# Altium PCB openmv-stm32n.PcbDoc (part 1 of 5) (continued)
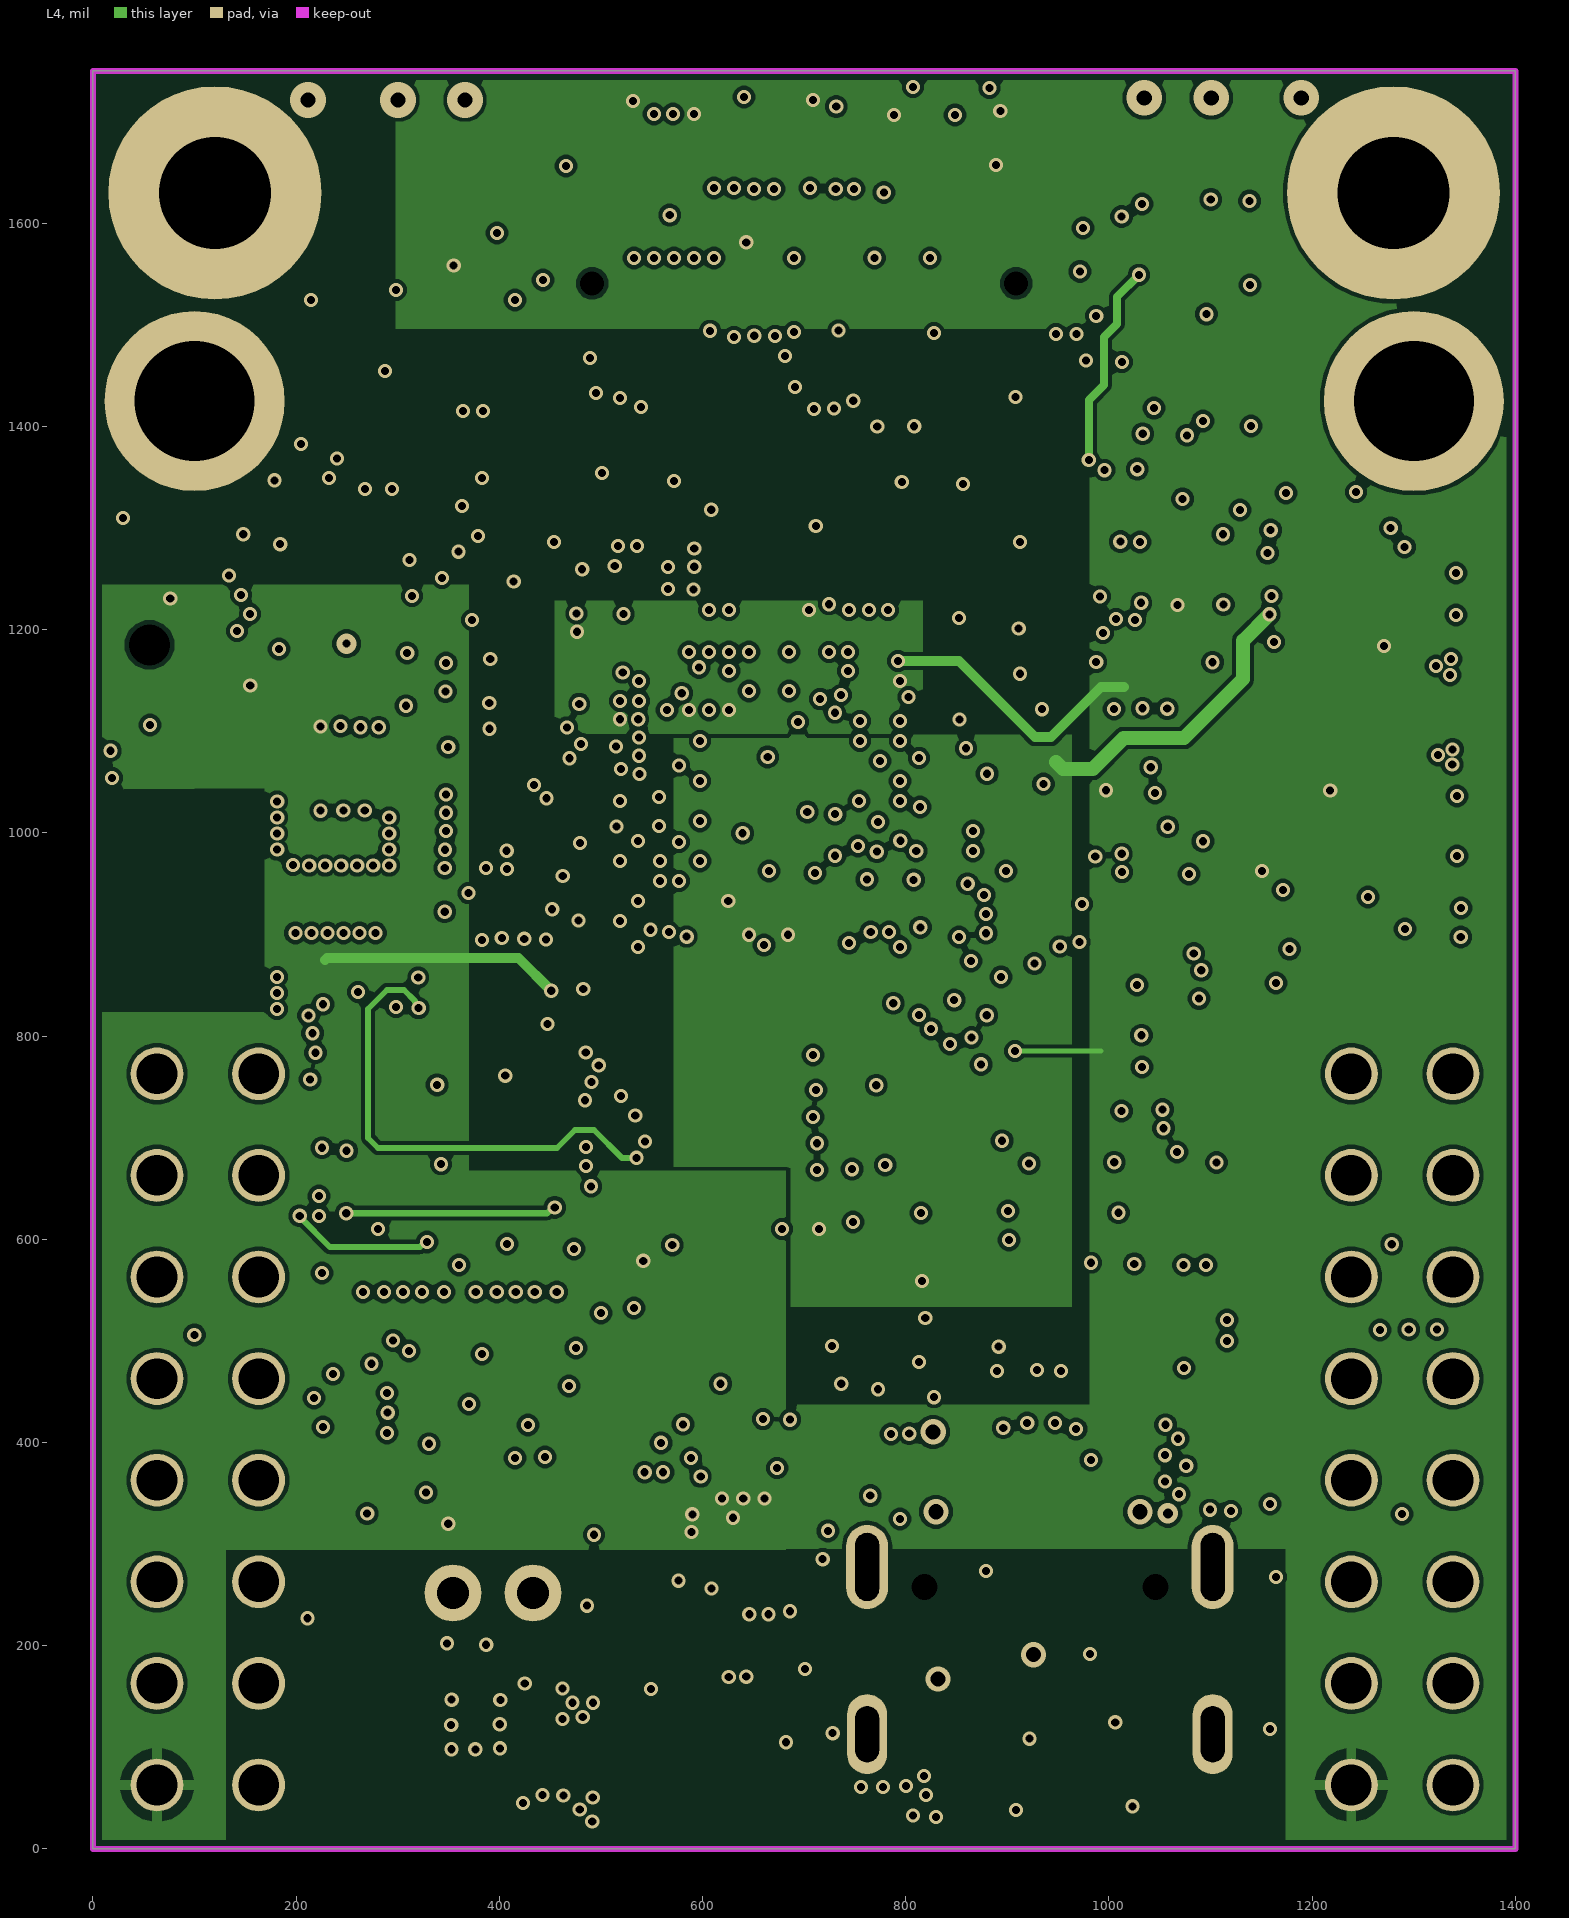
[diagram p5: L4]
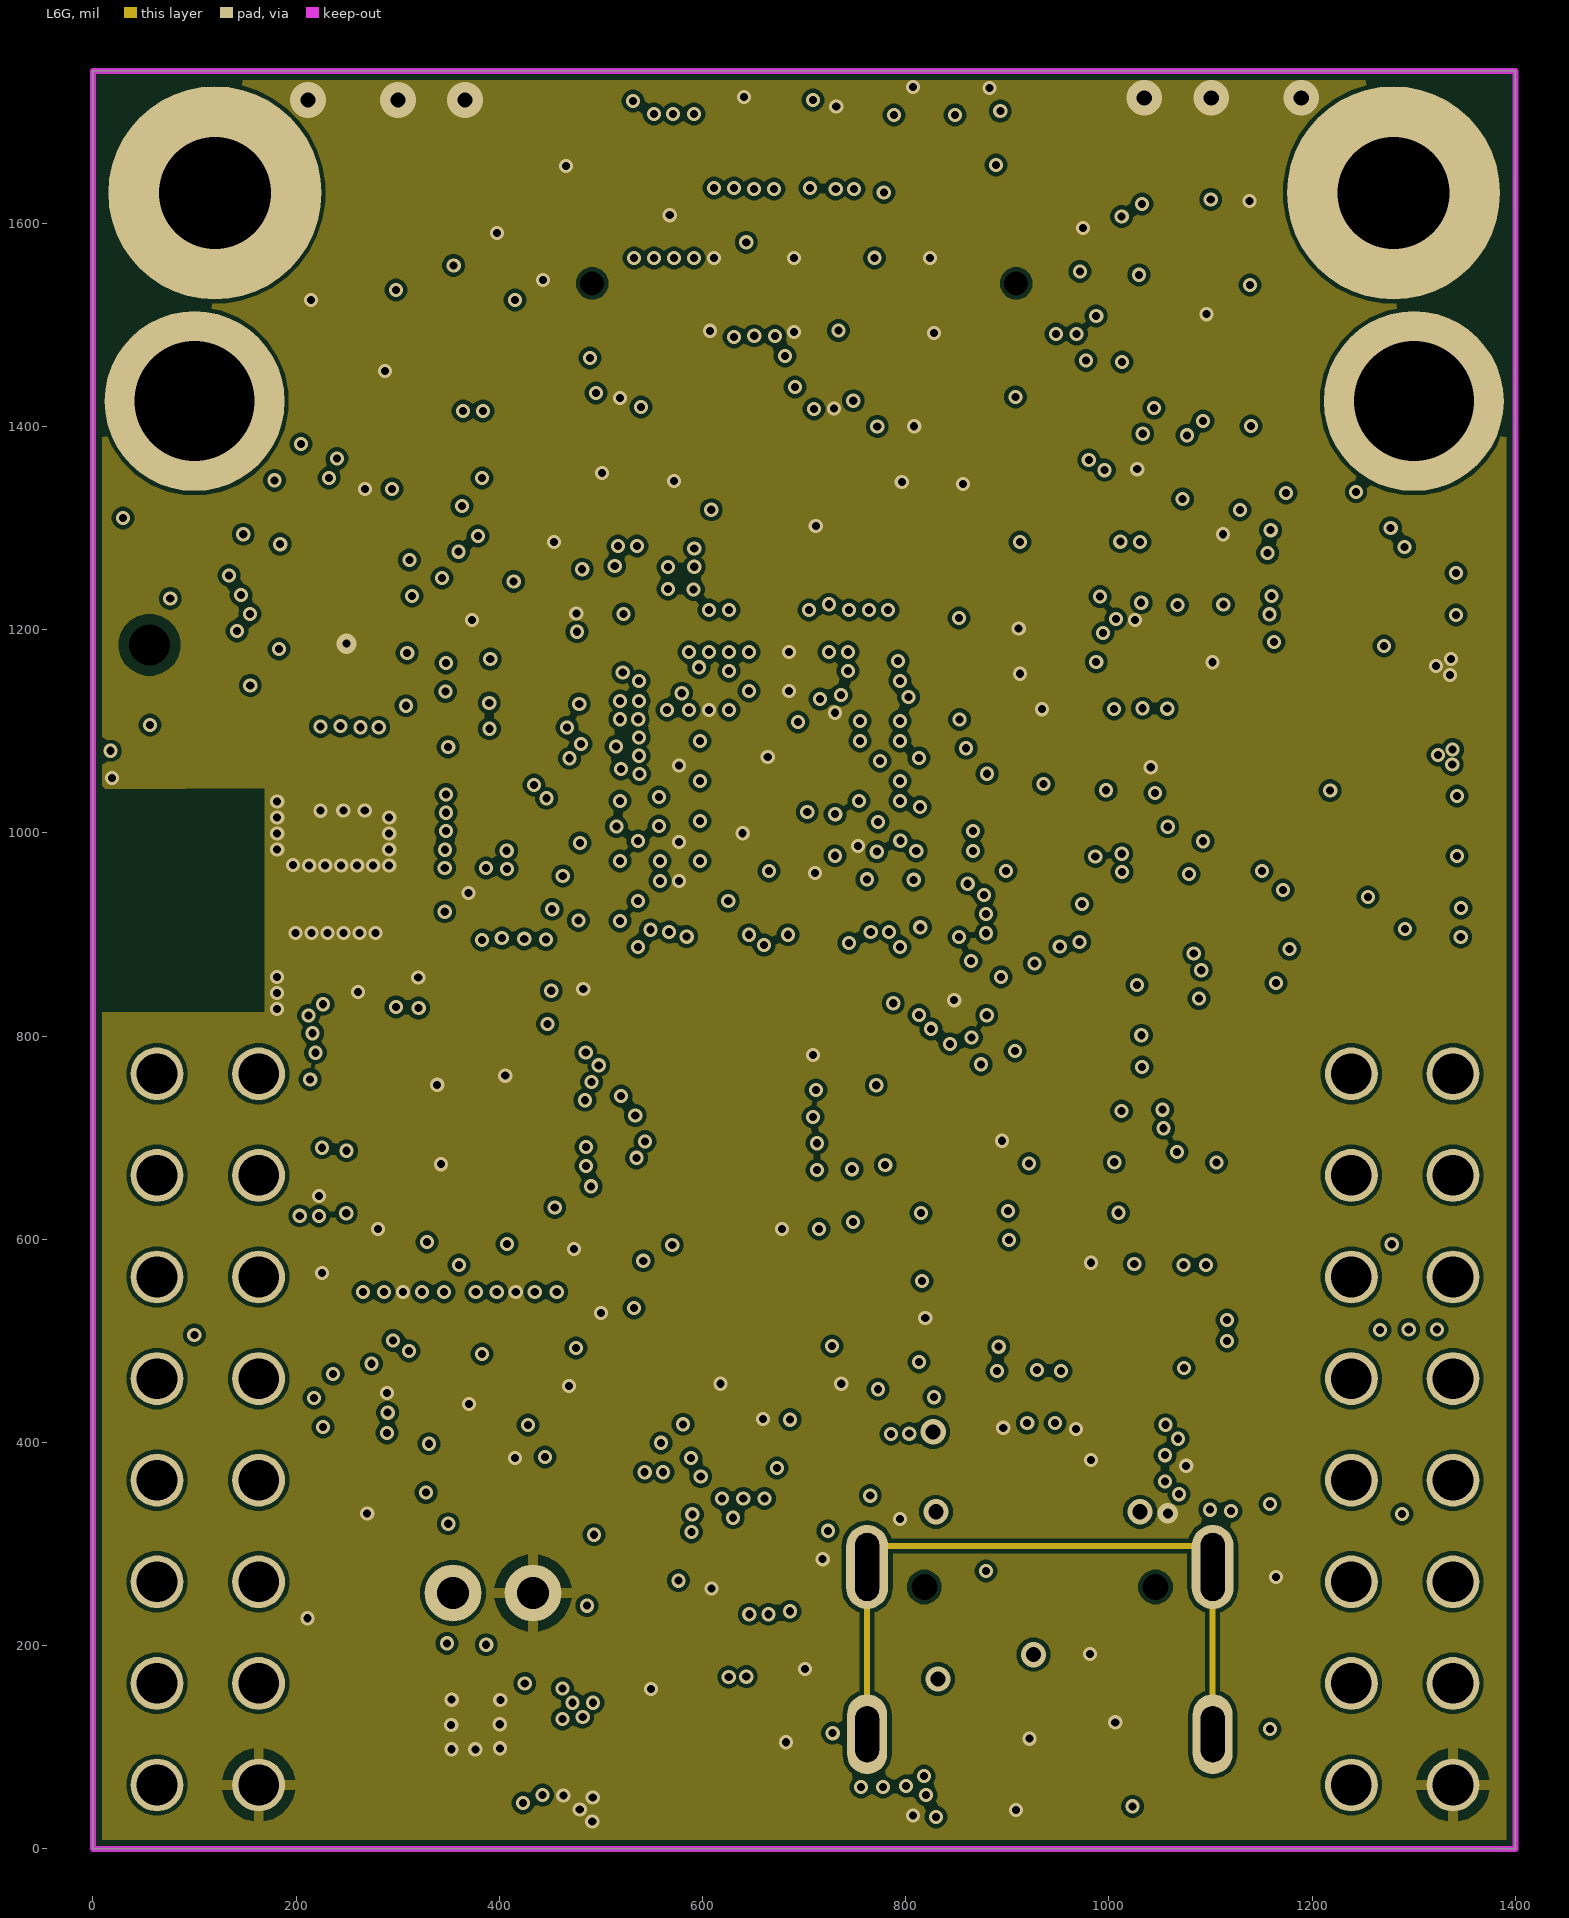
[diagram p6: L6G]
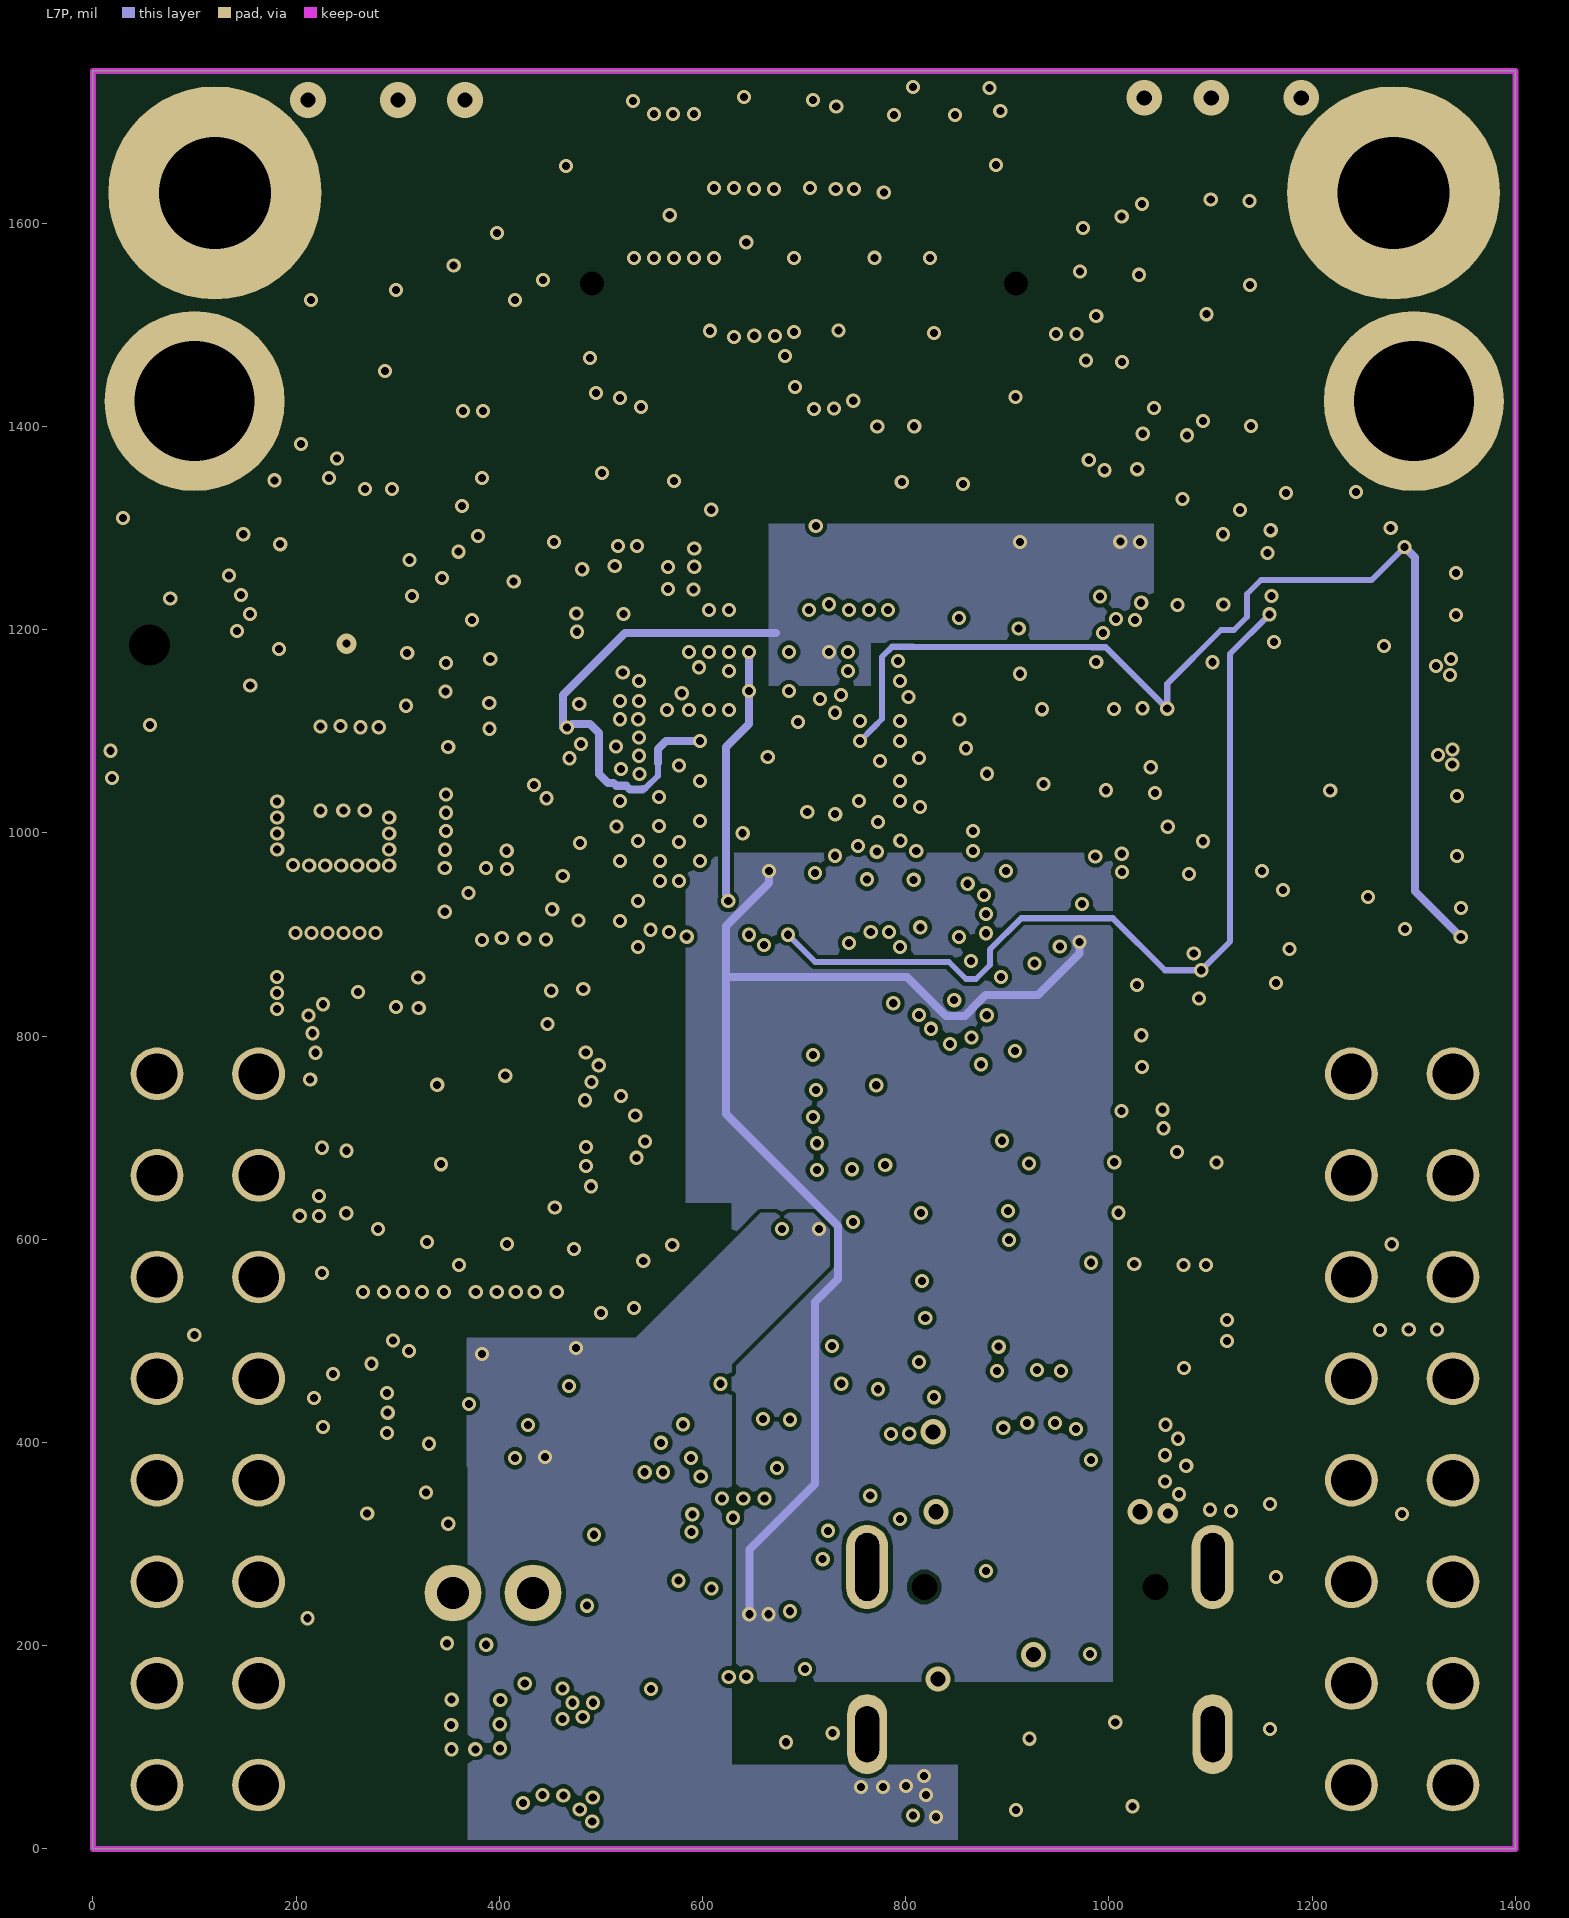
[diagram p7: L7P]
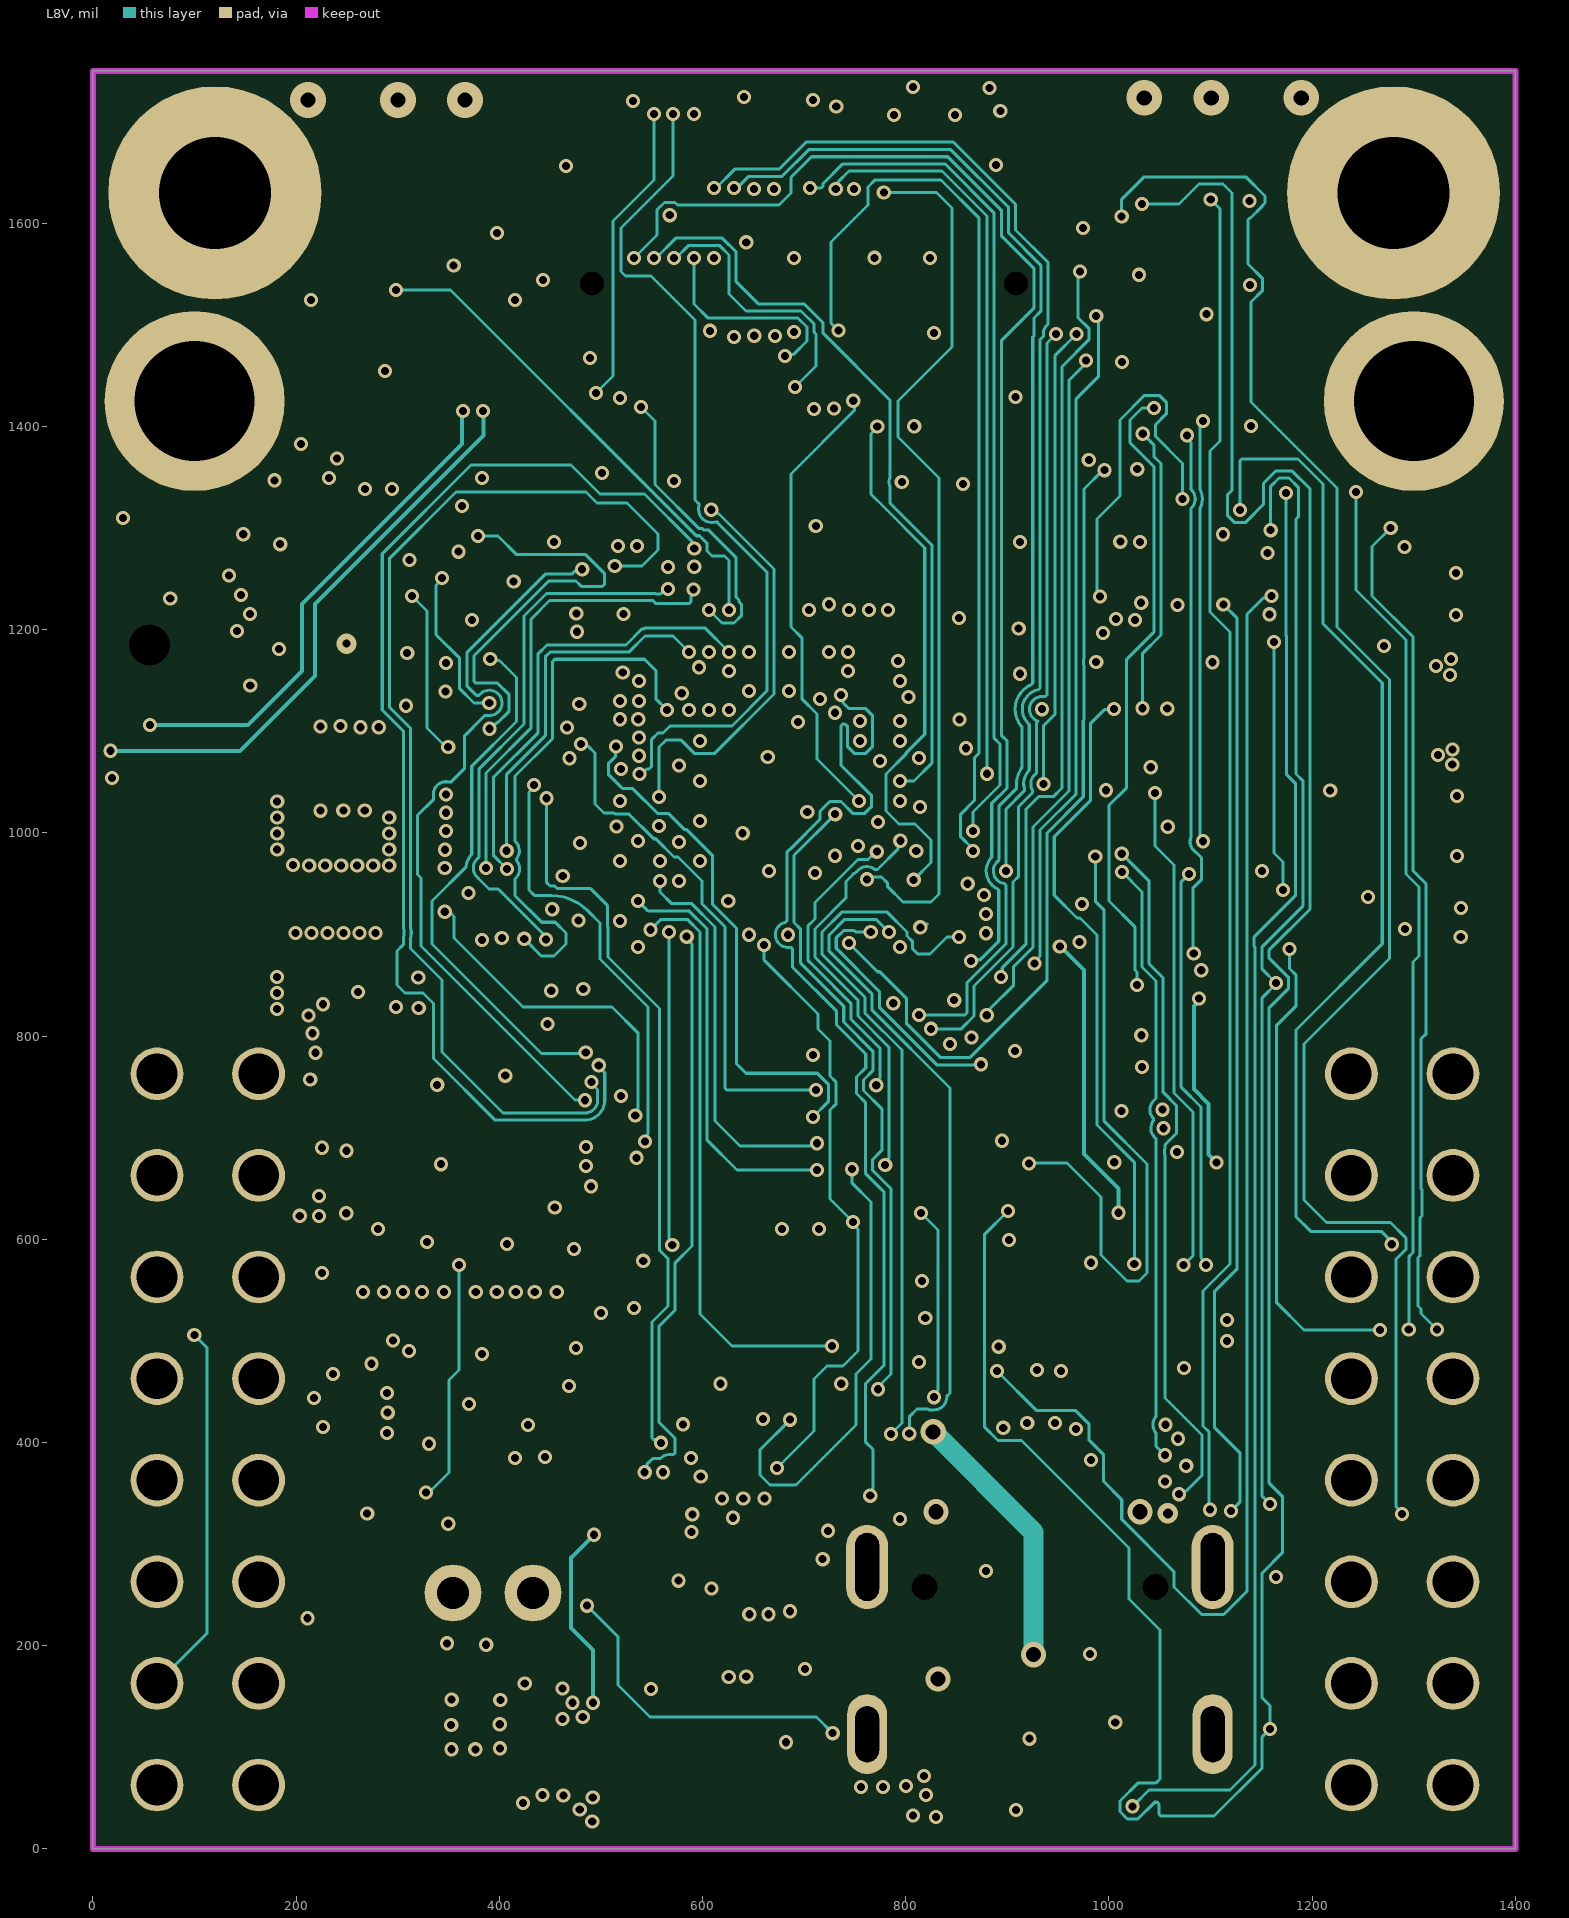
[diagram p8: L8V]